# Altium PCB m-BLANC.PcbDoc (part 14 of 15)
Units mm, origin at the board's own origin, x right, y up, seen from the top; angles counter-clockwise.
Board outline 100 x 100 mm, 6 copper layers (Top Layer, InLayer1 (GND), InLayer2 (Signal), InLayer3 (PWR), InLayer4 (GND), Bottom Layer), stack 1.634 mm thick; 322 components, 563 nets, 2865 pads, 1870 vias.
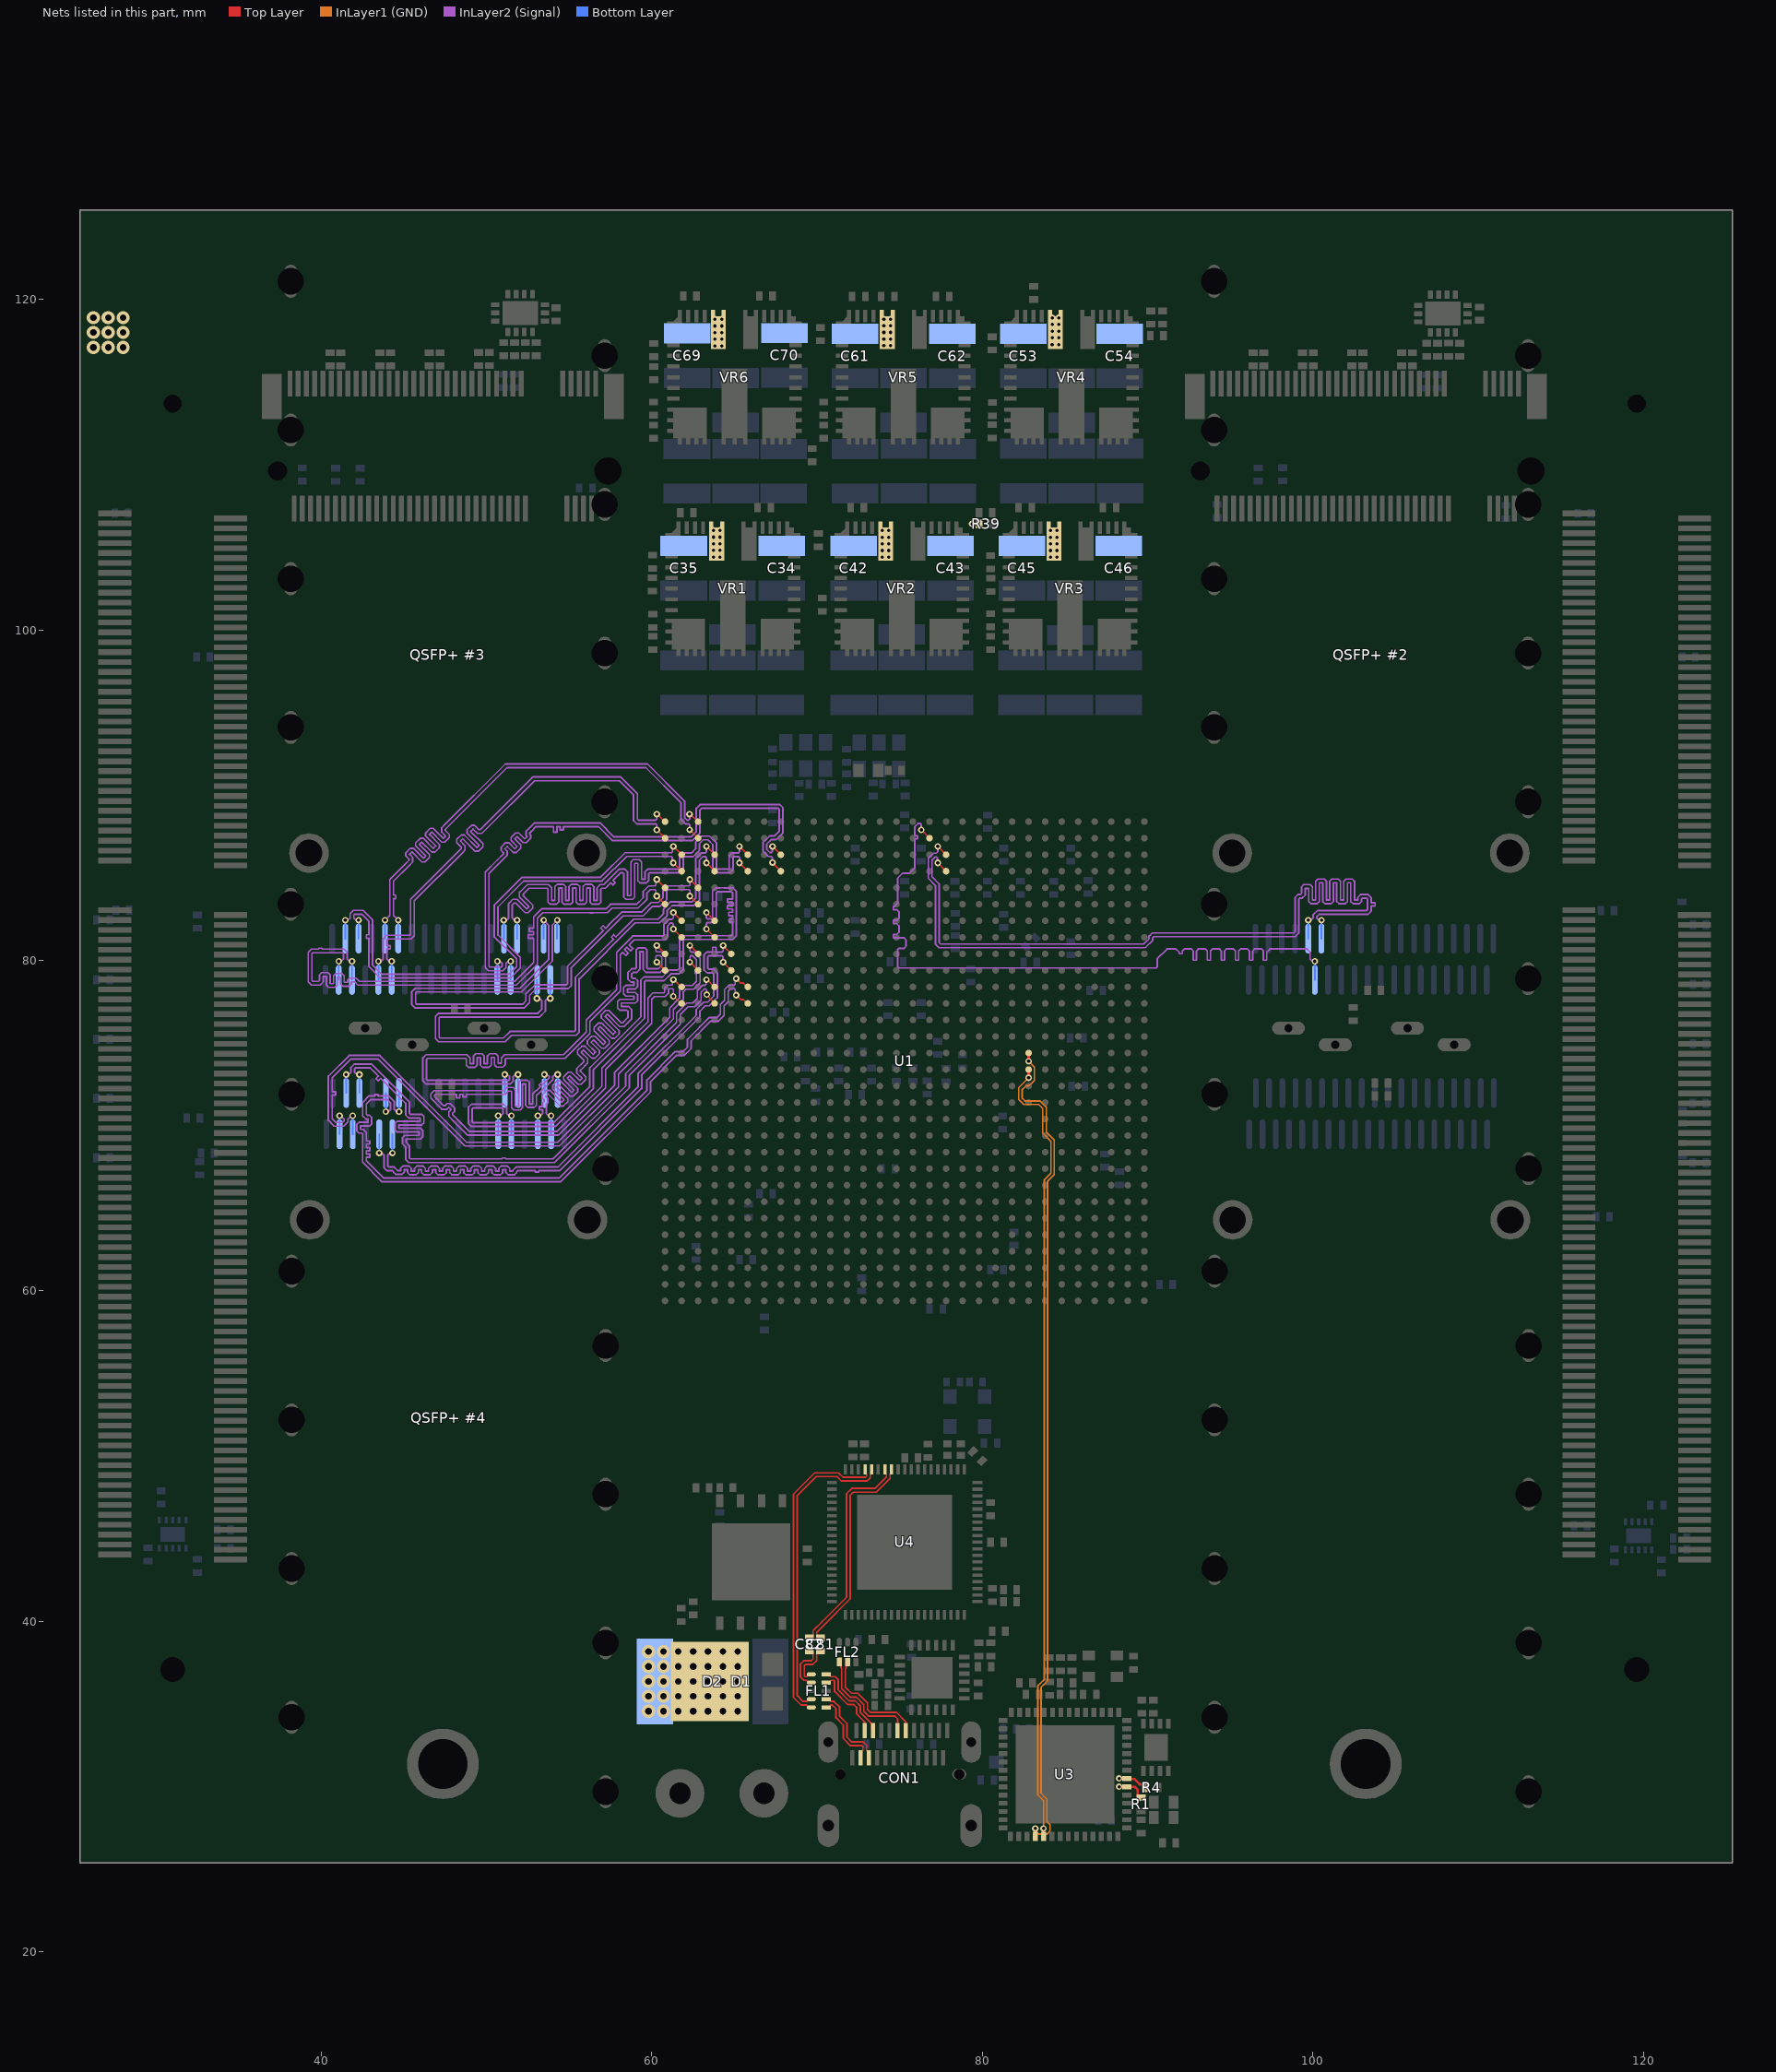
[diagram p18: the nets of this part, all layers, seen from the top]

## Via types
v1: diameter 0.4, hole 0.2, Top Layer to Bottom Layer, tented both sides, 1808 vias
v2: diameter 0.8, hole 0.4, Top Layer to Bottom Layer, tented both sides, 54 vias
v3: diameter 5, hole 3.2, Top Layer to Bottom Layer, 4 vias
v4: diameter 3.5, hole 3.2, Top Layer to Bottom Layer, 4 vias

## Nets (pads, with @x,y where several pads share a name; then routed paths per layer and width w, separated by ;. In a path a pad name is that pad's centre, name@x,y a point inside that pad or via, vN(x,y) a via of type N, cw(c..) or ccw(c..) an arc to the next point about the centre after c; other vN are vias at no path point) (continued)
QSFP2_TX3_P: "QSFP+ #2.33" U1.P2 | length 62.7
  Top Layer w0.1: v1(76.3,87.9) U1.P2@76.8,87.4
  InLayer2 (Signal) w0.1: v1(76.3,87.9) 76.3,88.229 76.241,88.287 76.1,88.287 75.9,88.087 75.9,87.884 75.9,87.55 76.08,87.55 76.08,87.35 75.9,87.35 75.9,87.1 75.9,85.582 75.593,85.275 75.168,85.275 74.875,84.982 74.875,84.1 74.875,83.466 74.685,83.276 74.604,83.276 74.604,83.076 74.818,83.076 74.95,82.944 74.95,82.557 74.818,82.426 74.604,82.426 74.604,82.226 74.818,82.226 74.95,82.094 74.95,81.707 74.818,81.576 74.604,81.576 74.604,81.376 75.243,81.376 75.375,81.244 75.375,80.857 75.243,80.726 74.934,80.726 74.875,80.667 74.875,80.167 74.875,79.625 74.961,79.539 90.51,79.539 90.577,79.605 90.577,80.096 91.175,80.694 91.301,80.694 ; v1@100.112,79.995 100.1,80.007 99.9,80.007 99.833,80.075 99.833,80.504 99.643,80.694 97.606,80.694 ; 91.301,80.694 91.716,80.694 ; 91.301,80.694 91.716,80.694 ; 91.716,80.694 91.906,80.504 ; 91.716,80.694 91.906,80.504 ; 91.906,80.406 91.906,80.504 ; 91.906,80.406 92.106,80.406 ; 91.906,80.406 91.906,80.504 ; 91.906,80.406 92.106,80.406 ; 92.106,80.406 92.106,80.575 ; 92.106,80.406 92.106,80.575 ; 92.106,80.575 92.238,80.707 ; 92.106,80.575 92.238,80.707 ; 92.238,80.707 92.625,80.707 ; 92.238,80.707 92.625,80.707 ; 92.625,80.707 92.756,80.575 ; 92.625,80.707 92.756,80.575 ; 92.756,80.02 92.956,80.02 ; 92.756,80.02 92.756,80.575 ; 92.756,80.02 92.756,80.575 ; 92.756,80.02 92.956,80.02 ; 92.956,80.02 92.956,80.575 ; 92.956,80.02 92.956,80.575 ; 92.956,80.575 93.088,80.707 ; 92.956,80.575 93.088,80.707 ; 93.088,80.707 93.475,80.707 ; 93.088,80.707 93.475,80.707 ; 93.475,80.707 93.606,80.575 ; 93.475,80.707 93.606,80.575 ; 93.606,80.02 93.806,80.02 ; 93.606,80.02 93.606,80.575 ; 93.606,80.02 93.606,80.575 ; 93.606,80.02 93.806,80.02 ; 93.806,80.02 93.806,80.575 ; 93.806,80.02 93.806,80.575 ; 93.806,80.575 93.938,80.707 ; 93.806,80.575 93.938,80.707 ; 93.938,80.707 94.325,80.707 ; 93.938,80.707 94.325,80.707 ; 94.325,80.707 94.456,80.575 ; 94.325,80.707 94.456,80.575 ; 94.456,80.02 94.456,80.575 ; 94.456,80.02 94.656,80.02 ; 94.456,80.02 94.456,80.575 ; 94.456,80.02 94.656,80.02 ; 94.656,80.02 94.656,80.575 ; 94.656,80.02 94.656,80.575 ; 94.656,80.575 94.788,80.707 ; 94.656,80.575 94.788,80.707 ; 94.788,80.707 95.175,80.707 ; 94.788,80.707 95.175,80.707 ; 95.175,80.707 95.306,80.575 ; 95.175,80.707 95.306,80.575 ; 95.306,80.02 95.306,80.575 ; 95.306,80.02 95.506,80.02 ; 95.306,80.02 95.306,80.575 ; 95.306,80.02 95.506,80.02 ; 95.506,80.02 95.506,80.575 ; 95.506,80.02 95.506,80.575 ; 95.506,80.575 95.638,80.707 ; 95.506,80.575 95.638,80.707 ; 95.638,80.707 96.025,80.707 ; 95.638,80.707 96.025,80.707 ; 96.025,80.707 96.156,80.575 ; 96.025,80.707 96.156,80.575 ; 96.156,80.02 96.156,80.575 ; 96.156,80.02 96.356,80.02 ; 96.156,80.02 96.156,80.575 ; 96.156,80.02 96.356,80.02 ; 96.356,80.02 96.356,80.575 ; 96.356,80.02 96.356,80.575 ; 96.356,80.575 96.488,80.707 ; 96.356,80.575 96.488,80.707 ; 96.488,80.707 96.875,80.707 ; 96.488,80.707 96.875,80.707 ; 96.875,80.707 97.006,80.575 ; 96.875,80.707 97.006,80.575 ; 97.006,80.02 97.006,80.575 ; 97.006,80.02 97.206,80.02 ; 97.006,80.02 97.006,80.575 ; 97.006,80.02 97.206,80.02 ; 97.206,80.02 97.206,80.504 ; 97.206,80.02 97.206,80.504 ; 97.206,80.504 97.397,80.694 ; 97.206,80.504 97.397,80.694 ; 97.397,80.694 97.606,80.694 ; 97.397,80.694 97.606,80.694
  Bottom Layer w0.1: 100.12,78.82 v1@100.12,79.95
  other v1: 100.121,79.95
QSFP2_TX4_N: "QSFP+ #2.5" U1.N3 | length 50.2
  Top Layer w0.1: v1(77.3,86.9) U1.N3@77.8,86.4
  InLayer2 (Signal) w0.1: v1(77.3,86.9) 77.3,86.571 77.22,86.491 77.044,86.491 76.725,86.172 76.725,84.972 77.159,84.538 77.159,80.983 77.377,80.765 89.855,80.765 90.311,81.221 90.311,81.381 90.37,81.44 98.935,81.44 99.15,81.655 99.15,83.079 99.15,83.716 99.209,83.775 99.352,83.775 99.542,83.965 99.542,84.363 99.742,84.363 99.742,83.572 99.874,83.44 100.26,83.44 100.392,83.572 100.392,84.704 100.592,84.704 100.592,83.572 100.724,83.44 101.11,83.44 101.242,83.572 101.242,84.704 101.442,84.704 101.442,83.572 101.574,83.44 101.96,83.44 102.092,83.572 102.092,84.704 102.292,84.704 102.292,83.572 102.424,83.44 102.81,83.44 102.942,83.572 102.942,83.716 103.001,83.775 103.117,83.775 103.241,83.775 103.3,83.716 103.3,83.074 103.241,83.015 100.282,83.015 100.008,82.741 100.008,82.565 99.94,82.497 99.859,82.497 v1@99.801,82.44
  Bottom Layer w0.1: 99.72,81.32 v1(99.72,82.44)
QSFP2_TX4_P: "QSFP+ #2.6" U1.N4 | length 50.4
  Top Layer w0.1: v1(77.3,85.9) U1.N4@77.8,85.4
  InLayer2 (Signal) w0.1: v1(77.3,85.9) 77.279,85.921 77.279,86.208 77.22,86.266 77.137,86.266 76.95,86.079 76.95,85.065 77.384,84.631 77.384,81.076 77.47,80.99 89.762,80.99 90.086,81.314 90.086,81.475 90.276,81.665 98.841,81.665 98.925,81.749 98.925,83.81 99.09,83.975 99.115,84 99.259,84 99.317,84.059 99.317,84.456 99.449,84.588 99.835,84.588 99.967,84.456 99.967,83.665 100.167,83.665 100.167,84.797 100.299,84.929 100.685,84.929 100.817,84.797 100.817,83.665 101.017,83.665 101.017,84.797 101.149,84.929 101.535,84.929 101.667,84.797 101.667,83.665 101.867,83.665 101.867,84.797 101.999,84.929 102.385,84.929 102.517,84.797 102.517,83.665 102.717,83.665 102.717,83.81 102.908,84 103.117,84 103.335,84 103.4,83.935 103.525,83.81 103.525,83.49 103.766,83.49 103.766,83.29 103.525,83.29 103.525,83.04 103.525,82.98 103.335,82.79 100.375,82.79 100.233,82.647 100.233,82.565 100.3,82.497 100.463,82.497 v1(100.52,82.44)
  Bottom Layer w0.1: 100.52,81.32 v1(100.52,82.44)
QSFP3_RX1_N: "QSFP+ #3.18" U1.AH5 | length 35.7
  Top Layer w0.1: v1(62.3,84.9) U1.AH5@62.8,84.4
  InLayer2 (Signal) w0.1: v1(54.275,82.44) 53.975,82.14 53.975,79.957 52.107,78.089 45.759,78.089 45.7,78.03 45.7,77.409 45.759,77.35 52.177,77.35 52.375,77.548 52.375,77.975 52.925,78.525 54.841,78.525 54.9,78.584 54.9,79.653 56.724,81.476 57.055,81.808 56.906,81.957 57.048,82.099 57.197,81.95 57.338,82.091 57.374,82.126 58.172,82.925 59.382,82.925 59.957,83.5 60.395,83.5 60.675,83.78 60.675,84.322 60.865,84.513 62.241,84.513 62.3,84.571 v1(62.3,84.9)
  Bottom Layer w0.1: 54.25,81.32 54.263,81.332 54.263,82.428 v1(54.275,82.44)
QSFP3_RX1_P: "QSFP+ #3.17" U1.AH6 | length 35.6
  Top Layer w0.1: v1(62.3,83.9) U1.AH6@62.8,83.4
  InLayer2 (Signal) w0.1: v1(53.45,82.44) 53.75,82.14 53.75,80.05 52.014,78.314 45.665,78.314 45.475,78.123 45.475,77.315 45.665,77.125 52.271,77.125 52.6,77.454 52.6,77.882 53.018,78.3 54.935,78.3 55.125,78.49 55.125,79.56 58.265,82.7 59.475,82.7 60.05,83.275 60.488,83.275 60.9,83.687 60.9,84.229 60.959,84.288 62.241,84.288 62.3,84.229 v1(62.3,83.9)
  Bottom Layer w0.1: 53.45,81.32 v1(53.45,82.44)
QSFP3_RX2_N: "QSFP+ #3.21" U1.AG3 | length 35.6
  Top Layer w0.1: v1(63.3,86.9) U1.AG3@63.8,86.4
  InLayer2 (Signal) w0.1: v1(53.854,77.7) 53.797,77.643 53.62,77.643 53.56,77.582 53.56,77.406 53.558,77.404 53.558,76.933 53.202,76.578 47.192,76.578 47.133,76.519 47.133,75.359 47.192,75.3 51.018,75.3 51.418,75.7 55.314,75.7 55.373,75.759 55.373,78.975 57.349,80.951 57.681,81.283 57.546,81.417 57.688,81.559 57.822,81.424 57.999,81.601 58.898,82.5 60.381,82.5 60.707,82.826 60.707,83.12 61.137,83.55 62.445,83.55 62.65,83.755 62.65,86.154 63.008,86.513 63.241,86.513 63.3,86.571 v1(63.3,86.9)
  Bottom Layer w0.1: 53.85,78.82 53.852,78.818 v1(53.854,77.7) v1(53.854,77.7)
QSFP3_RX2_P: "QSFP+ #3.22" U1.AG4 | length 35.6
  Top Layer w0.1: v1(63.3,85.9) U1.AG4@63.8,85.4
  InLayer2 (Signal) w0.1: v1(53.04,77.7) 53.097,77.643 53.274,77.643 53.335,77.582 53.335,77.5 53.332,77.498 53.332,77.027 53.109,76.803 47.098,76.803 46.908,76.612 46.908,75.265 47.098,75.075 51.111,75.075 51.511,75.475 55.408,75.475 55.598,75.665 55.598,78.882 58.991,82.275 60.474,82.275 60.932,82.733 60.932,83.027 61.23,83.325 62.538,83.325 62.875,83.662 62.875,86.061 63.102,86.288 63.241,86.288 63.3,86.229 v1(63.3,85.9)
  Bottom Layer w0.1: v1(53.04,77.7) 53.045,77.705 53.045,78.815 53.05,78.82
QSFP3_RX3_N: "QSFP+ #3.14" U1.AE3 | length 36.4
  Top Layer w0.1: v1(65.3,86.9) U1.AE3@65.8,86.4
  InLayer2 (Signal) w0.1: v1@51.038,82.421 51.095,82.479 51.267,82.479 51.329,82.541 51.329,83.451 51.415,83.536 51.576,83.697 51.845,83.697 52.425,83.117 52.567,83.258 51.987,83.838 51.987,84.108 52.134,84.256 52.472,84.593 52.605,84.593 53.745,84.593 53.935,84.403 53.935,83.629 54.135,83.629 54.135,84.476 54.267,84.608 54.653,84.608 54.785,84.476 54.785,83.629 54.985,83.629 54.985,84.476 55.117,84.608 55.503,84.608 55.635,84.476 55.635,83.629 55.835,83.629 55.835,84.476 55.967,84.608 56.353,84.608 56.485,84.476 56.485,83.629 56.685,83.629 56.685,84.403 56.875,84.593 57.084,84.593 57.091,84.593 58.032,85.535 58.123,85.535 58.239,85.535 58.338,85.535 58.529,85.345 58.529,83.921 58.729,83.921 58.729,85.966 58.86,86.098 59.247,86.098 59.379,85.966 59.379,84.915 59.579,84.915 59.579,85.345 59.769,85.535 59.978,85.535 61.618,85.535 61.677,85.594 61.677,86.31 61.867,86.5 62.395,86.5 62.65,86.755 62.65,87.168 63.006,87.524 63.489,87.524 63.912,87.101 63.912,85.581 63.971,85.523 64.622,85.523 64.681,85.581 64.681,86.322 64.871,86.513 64.906,86.513 65.241,86.513 65.3,86.571 v1(65.3,86.9)
  Bottom Layer w0.1: v1(51.038,82.437) 51.044,82.431 51.044,81.326 51.05,81.32
QSFP3_RX3_P: "QSFP+ #3.15" U1.AE4 | length 36.4
  Top Layer w0.1: v1(65.3,85.9) U1.AE4@65.8,85.4
  InLayer2 (Signal) w0.1: v1(51.846,82.437) 51.789,82.495 51.617,82.495 51.554,82.557 51.554,83.357 51.574,83.377 51.669,83.472 51.752,83.472 52.332,82.892 52.518,82.892 52.792,83.165 52.792,83.352 52.212,83.932 52.212,84.014 52.294,84.096 52.565,84.368 52.605,84.368 53.651,84.368 53.71,84.31 53.71,83.536 53.842,83.404 54.228,83.404 54.36,83.536 54.36,84.383 54.56,84.383 54.56,83.536 54.692,83.404 55.078,83.404 55.21,83.536 55.21,84.383 55.41,84.383 55.41,83.536 55.542,83.404 55.928,83.404 56.06,83.536 56.06,84.383 56.26,84.383 56.26,83.536 56.392,83.404 56.778,83.404 56.91,83.536 56.91,84.31 56.968,84.368 57.084,84.368 57.184,84.368 57.332,84.516 57.368,84.552 57.509,84.693 57.645,84.557 57.786,84.699 57.65,84.835 57.987,85.172 58.123,85.307 58.126,85.31 58.239,85.31 58.245,85.31 58.304,85.251 58.304,84.798 58.304,84.611 58.304,83.828 58.435,83.696 58.822,83.696 58.954,83.828 58.954,85.873 59.154,85.873 59.154,84.822 59.285,84.69 59.672,84.69 59.804,84.822 59.804,85.251 59.862,85.31 59.978,85.31 61.711,85.31 61.902,85.5 61.902,86.216 61.96,86.275 62.488,86.275 62.875,86.662 62.875,87.075 63.099,87.299 63.395,87.299 63.687,87.008 63.687,85.488 63.877,85.298 64.716,85.298 64.906,85.488 64.906,86.229 64.965,86.288 64.999,86.288 65.241,86.288 65.3,86.229 v1(65.3,85.9)
  Bottom Layer w0.1: v1(51.846,82.437) 51.848,82.435 51.848,81.322 51.85,81.32
QSFP3_RX4_N: "QSFP+ #3.24" U1.AC3 | length 37
  Top Layer w0.1: v1(67.3,86.9) U1.AC3@67.8,86.4
  InLayer2 (Signal) w0.1: v1(51.462,79.95) 51.405,79.893 51.23,79.893 51.169,79.832 51.169,79.656 51.169,79.562 50.978,79.372 50.11,79.372 49.92,79.562 49.92,85.351 50.656,86.087 51.013,86.444 51.013,86.527 50.878,86.662 50.878,86.848 51.152,87.121 51.338,87.121 51.704,86.755 51.846,86.896 51.479,87.263 51.479,87.449 51.753,87.722 51.939,87.722 52.305,87.356 52.447,87.497 52.391,87.553 52.391,87.822 52.539,87.97 52.894,88.325 56.861,88.325 57.707,87.478 62.359,87.478 62.686,87.805 62.686,89.204 62.912,89.43 67.741,89.43 67.932,89.24 67.932,87.728 67.509,87.306 67.211,87.306 66.95,87.045 66.95,86.718 67.144,86.524 67.227,86.524 67.285,86.583 67.285,86.885 v1(67.3,86.9)
  Bottom Layer w0.1: 51.45,78.82 51.456,78.826 51.456,79.944 v1(51.462,79.95)
QSFP3_RX4_P: "QSFP+ #3.25" U1.AC4 | length 36.9
  Top Layer w0.1: v1(67.3,85.924) 67.3,85.912 67.8,85.412 U1.AC4@67.8,85.4
  InLayer2 (Signal) w0.1: v1(50.65,79.95) 50.707,79.893 50.883,79.893 50.944,79.832 50.944,79.749 50.944,79.656 50.885,79.597 50.203,79.597 50.145,79.656 50.145,85.258 50.815,85.928 51.238,86.351 51.238,86.62 51.103,86.755 51.245,86.896 51.611,86.53 51.797,86.53 52.071,86.803 52.071,86.99 51.704,87.356 51.846,87.497 52.212,87.131 52.398,87.131 52.672,87.404 52.672,87.591 52.616,87.646 52.616,87.729 52.698,87.811 52.987,88.1 53.8,88.1 54.05,88.1 54.05,87.766 54.25,87.766 54.25,88.1 54.45,88.1 54.45,87.9 54.65,87.9 54.65,88.1 55.095,88.1 56.768,88.1 57.614,87.253 62.452,87.253 62.911,87.712 62.911,89.111 63.005,89.205 67.648,89.205 67.707,89.146 67.707,87.822 67.416,87.531 67.118,87.531 66.725,87.138 66.725,86.625 67.051,86.299 67.227,86.299 67.285,86.241 67.285,85.939 v1(67.3,85.924)
  Bottom Layer w0.1: 50.65,78.82 v1(50.65,79.95)
QSFP3_TX1_N: "QSFP+ #3.37" U1.AK5 | length 35
  Top Layer w0.1: v1(60.3,84.9) U1.AK5@60.8,84.4
  InLayer2 (Signal) w0.1: v1(41.05,79.95) 41.107,80.007 41.27,80.007 41.337,80.075 41.337,80.406 41.279,80.465 39.484,80.465 39.425,80.406 39.425,78.797 39.484,78.739 39.711,78.739 39.827,78.739 39.885,78.797 39.885,79.128 40.017,79.26 40.404,79.26 40.535,79.128 40.535,78.593 40.735,78.593 40.735,79.078 40.867,79.21 41.254,79.21 41.385,79.078 41.385,78.673 41.585,78.673 41.585,78.797 41.717,78.929 42.104,78.929 42.235,78.797 42.294,78.739 42.721,78.739 51.709,78.739 52.842,79.871 52.842,81.3 52.842,81.35 52.51,81.35 52.51,81.55 52.842,81.55 52.842,81.75 52.579,81.75 52.579,81.95 52.842,81.95 52.842,82.1 52.842,82.645 53.319,83.122 57.222,83.122 57.5,83.4 59.075,83.4 59.475,83.8 59.475,84.181 59.807,84.513 60.184,84.513 60.243,84.571 60.243,84.843 v1(60.3,84.9)
  Bottom Layer w0.1: 41.05,78.82 v1(41.05,79.95)
QSFP3_TX1_P: "QSFP+ #3.36" U1.AK6 | length 35.1
  Top Layer w0.1: v1(60.3,83.9) U1.AK6@60.8,83.4
  InLayer2 (Signal) w0.1: v1(41.85,79.95) 41.793,80.007 41.63,80.007 41.563,80.075 41.563,80.499 41.372,80.69 40.402,80.69 40.045,80.69 40.045,80.746 39.845,80.746 39.845,80.69 39.795,80.69 39.39,80.69 39.2,80.499 39.2,78.704 39.39,78.514 39.711,78.514 39.92,78.514 40.11,78.704 40.11,79.035 40.31,79.035 40.31,78.5 40.442,78.368 40.829,78.368 40.96,78.5 40.96,78.985 41.16,78.985 41.16,78.579 41.292,78.448 41.679,78.448 41.81,78.579 41.81,78.704 42.01,78.704 42.201,78.514 42.721,78.514 51.802,78.514 53.067,79.778 53.067,82.552 53.412,82.897 56,82.897 56.25,82.897 56.25,82.881 56.45,82.881 56.45,82.897 56.6,82.897 57.315,82.897 57.593,83.175 59.168,83.175 59.7,83.707 59.7,84.088 59.9,84.288 60.184,84.288 60.243,84.229 60.243,83.957 v1(60.3,83.9)
  Bottom Layer w0.1: 41.85,78.82 v1(41.85,79.95)
QSFP3_TX2_N: "QSFP+ #3.2" U1.AJ3 | length 32.7
  Top Layer w0.1: v1(61.3,86.9) U1.AJ3@61.8,86.4
  InLayer2 (Signal) w0.1: v1(41.45,82.44) 41.507,82.497 41.67,82.497 41.738,82.565 41.738,82.836 41.928,83.027 42.525,83.027 43.1,82.452 43.1,79.718 43.65,79.169 51.35,79.169 51.812,79.631 51.812,80.095 50.457,81.45 50.457,83.334 52.156,85.033 56.893,85.033 58.383,86.523 60.691,86.523 61.184,86.523 61.243,86.582 61.243,86.843 v1(61.3,86.9)
  Bottom Layer w0.1: 41.45,81.32 v1(41.45,82.44)
QSFP3_TX2_P: "QSFP+ #3.3" U1.AJ4 | length 32.7
  Top Layer w0.1: v1(61.293,85.907) U1.AJ4@61.8,85.4
  InLayer2 (Signal) w0.1: v1(42.25,82.44) 42.193,82.497 42.03,82.497 41.963,82.565 41.963,82.743 42.021,82.802 42.432,82.802 42.875,82.359 42.875,81.8 42.875,81.55 42.718,81.55 42.718,81.35 42.875,81.35 42.875,81 42.875,79.625 43.556,78.944 51.444,78.944 52.037,79.537 52.037,80.188 50.682,81.543 50.682,83.241 52.249,84.808 56.986,84.808 58.477,86.298 60.597,86.298 61.177,86.298 61.235,86.239 61.235,85.965 v1(61.293,85.907)
  Bottom Layer w0.1: 42.25,81.32 v1(42.25,82.44)
QSFP3_TX3_N: "QSFP+ #3.34" U1.AK1 | length 30.7
  Top Layer w0.1: v1(60.3,88.855) 60.323,88.855 60.777,88.4 U1.AK1@60.8,88.4
  InLayer2 (Signal) w0.1: v1(43.455,79.95) 43.512,80.007 43.675,80.007 43.743,80.075 43.743,81.335 43.933,81.525 45.341,81.525 45.4,81.584 45.4,83.7 48.388,86.688 48.47,86.77 48.47,86.853 48.188,87.135 48.188,87.322 48.462,87.595 48.648,87.595 49.408,86.835 49.55,86.976 48.811,87.715 48.811,87.901 49.084,88.175 49.27,88.175 49.531,87.914 49.614,87.914 49.842,88.142 52.8,91.1 58.118,91.1 59.119,90.099 59.119,88.549 59.178,88.49 60.241,88.49 60.3,88.549 v1(60.3,88.855)
  Bottom Layer w0.1: 43.45,78.82 43.453,78.823 43.453,79.947 v1(43.455,79.95)
QSFP3_TX3_P: "QSFP+ #3.33" U1.AK2 | length 30.8
  Top Layer w0.1: v1(60.3,87.9) U1.AK2@60.8,87.4
  InLayer2 (Signal) w0.1: v1(44.255,79.95) 44.198,80.007 44.035,80.007 43.968,80.075 43.968,80.451 43.968,80.701 44.165,80.701 44.165,80.901 43.968,80.901 43.968,81 43.968,81.241 44.026,81.3 45.435,81.3 45.625,81.49 45.625,83.607 48.548,86.529 48.695,86.677 48.695,86.946 48.413,87.228 48.555,87.37 49.315,86.61 49.501,86.61 49.775,86.883 49.775,87.069 49.036,87.808 49.177,87.95 49.438,87.689 49.707,87.689 50.001,87.983 52.893,90.875 58.025,90.875 58.7,90.2 58.894,90.006 58.894,88.455 59.084,88.265 60.241,88.265 60.3,88.206 v1(60.3,87.9)
  Bottom Layer w0.1: 44.25,78.82 44.253,78.823 44.253,79.947 v1(44.255,79.95)
QSFP3_TX4_N: "QSFP+ #3.5" U1.AH1 | length 33.1
  Top Layer w0.1: v1(62.282,88.855) 62.313,88.855 62.768,88.4 U1.AH1@62.8,88.4
  InLayer2 (Signal) w0.1: v1(43.85,82.44) 44.138,82.728 44.138,84.894 45.122,85.878 45.3,86.056 45.3,86.139 45.108,86.33 45.108,86.516 45.381,86.79 45.568,86.79 46.174,86.183 46.315,86.325 45.709,86.931 45.709,87.117 45.983,87.391 46.169,87.391 46.775,86.784 46.916,86.926 46.31,87.532 46.31,87.718 46.584,87.992 46.77,87.992 47.376,87.386 47.518,87.527 47.279,87.766 47.279,88.035 47.427,88.183 51.133,91.889 59.734,91.889 61.979,89.644 61.979,88.638 62.125,88.492 62.225,88.492 62.284,88.551 62.284,88.853 v1(62.282,88.855)
  Bottom Layer w0.1: 43.85,81.32 v1(43.85,82.44)
QSFP3_TX4_P: "QSFP+ #3.6" U1.AH2 | length 33
  Top Layer w0.1: v1(62.286,87.905) 62.291,87.905 62.796,87.4 U1.AH2@62.8,87.4
  InLayer2 (Signal) w0.1: v1(44.65,82.44) 44.363,82.727 44.363,83.5 44.363,83.75 44.508,83.75 44.508,83.95 44.363,83.95 44.363,84.3 44.363,84.801 45.281,85.719 45.525,85.963 45.525,86.232 45.333,86.423 45.475,86.565 46.081,85.958 46.267,85.958 46.54,86.232 46.54,86.418 45.934,87.024 46.076,87.166 46.682,86.559 46.868,86.559 47.141,86.833 47.141,87.019 46.535,87.625 46.677,87.767 47.283,87.161 47.469,87.161 47.743,87.434 47.743,87.62 47.504,87.859 47.504,87.942 47.586,88.024 51.226,91.664 59.641,91.664 61.754,89.551 61.754,88.545 62.032,88.267 62.225,88.267 62.284,88.209 62.284,87.907 v1(62.286,87.905)
  Bottom Layer w0.1: 44.65,81.32 v1(44.65,82.44)
QSFP4_RX1_N: "QSFP+ #4.18" U1.AH9 | length 38.7
  Top Layer w0.1: v1(62.3,80.9) U1.AH9@62.8,80.4
  InLayer2 (Signal) w0.1: v1(41.1,70.6) 41.181,70.6 41.381,70.4 41.381,70.318 41.263,70.2 40.869,70.2 40.65,70.419 40.65,71.6 40.65,71.85 40.869,71.85 40.869,72.05 40.65,72.05 40.65,72.3 40.65,72.907 41.771,74.028 43.443,74.028 48.696,68.775 54.395,68.775 57.975,72.355 57.975,73.134 61.3,76.459 61.3,77.026 61.9,77.626 61.9,78.1 62.059,78.259 62.533,78.259 62.92,78.646 62.92,80.127 62.535,80.513 62.359,80.513 62.3,80.571 v1(62.3,80.9)
  Bottom Layer w0.1: 41.1,69.48 v1(41.1,70.6)
QSFP4_RX1_P: "QSFP+ #4.17" U1.AH10 | length 38.8
  Top Layer w0.1: v1(62.3,79.9) U1.AH10@62.8,79.4
  InLayer2 (Signal) w0.1: v1(41.898,70.6) 41.816,70.6 41.606,70.389 41.606,70.224 41.356,69.975 40.775,69.975 40.425,70.325 40.425,73.001 41.678,74.253 43.536,74.253 48.789,69 54.302,69 57.75,72.448 57.75,73.227 61.075,76.552 61.075,77.119 61.675,77.719 61.675,78.193 61.966,78.484 62.439,78.484 62.695,78.739 62.695,79.174 62.695,79.224 62.627,79.224 62.627,79.424 62.695,79.424 62.695,79.6 62.695,80.034 62.441,80.288 62.359,80.288 62.3,80.229 v1(62.3,79.9)
  Bottom Layer w0.1: v1(41.898,70.6) 41.899,70.599 41.899,69.481 41.9,69.48
QSFP4_RX2_N: "QSFP+ #4.21" U1.AG11 | length 38.8
  Top Layer w0.1: v1(63.3,78.839) 63.33,78.839 63.77,78.4 U1.AG11@63.8,78.4
  InLayer2 (Signal) w0.1: v1(41.5,73.1) 41.558,73.157 41.72,73.157 41.787,73.225 41.787,73.532 41.978,73.723 43.05,73.723 45.324,71.449 45.324,70.867 45.324,70.751 45.382,70.693 46.073,70.693 46.205,70.561 46.205,70.174 46.073,70.043 44.683,70.043 44.683,69.843 46,69.843 46.132,69.711 46.132,69.324 46,69.193 45.133,69.193 45.133,68.993 45.324,68.802 45.324,68.421 45.324,68.052 45.387,67.989 50.7,67.989 50.95,67.989 50.95,68.047 51.15,68.047 51.15,67.989 51.4,67.989 54.008,67.989 58.415,72.396 58.415,73.158 61.5,76.243 61.5,76.813 62.109,77.423 62.48,77.423 62.75,77.693 62.75,78.174 63.076,78.5 63.227,78.5 63.286,78.559 63.286,78.825 v1(63.3,78.839)